# KiCad board Main.kicad_pcb (continued)
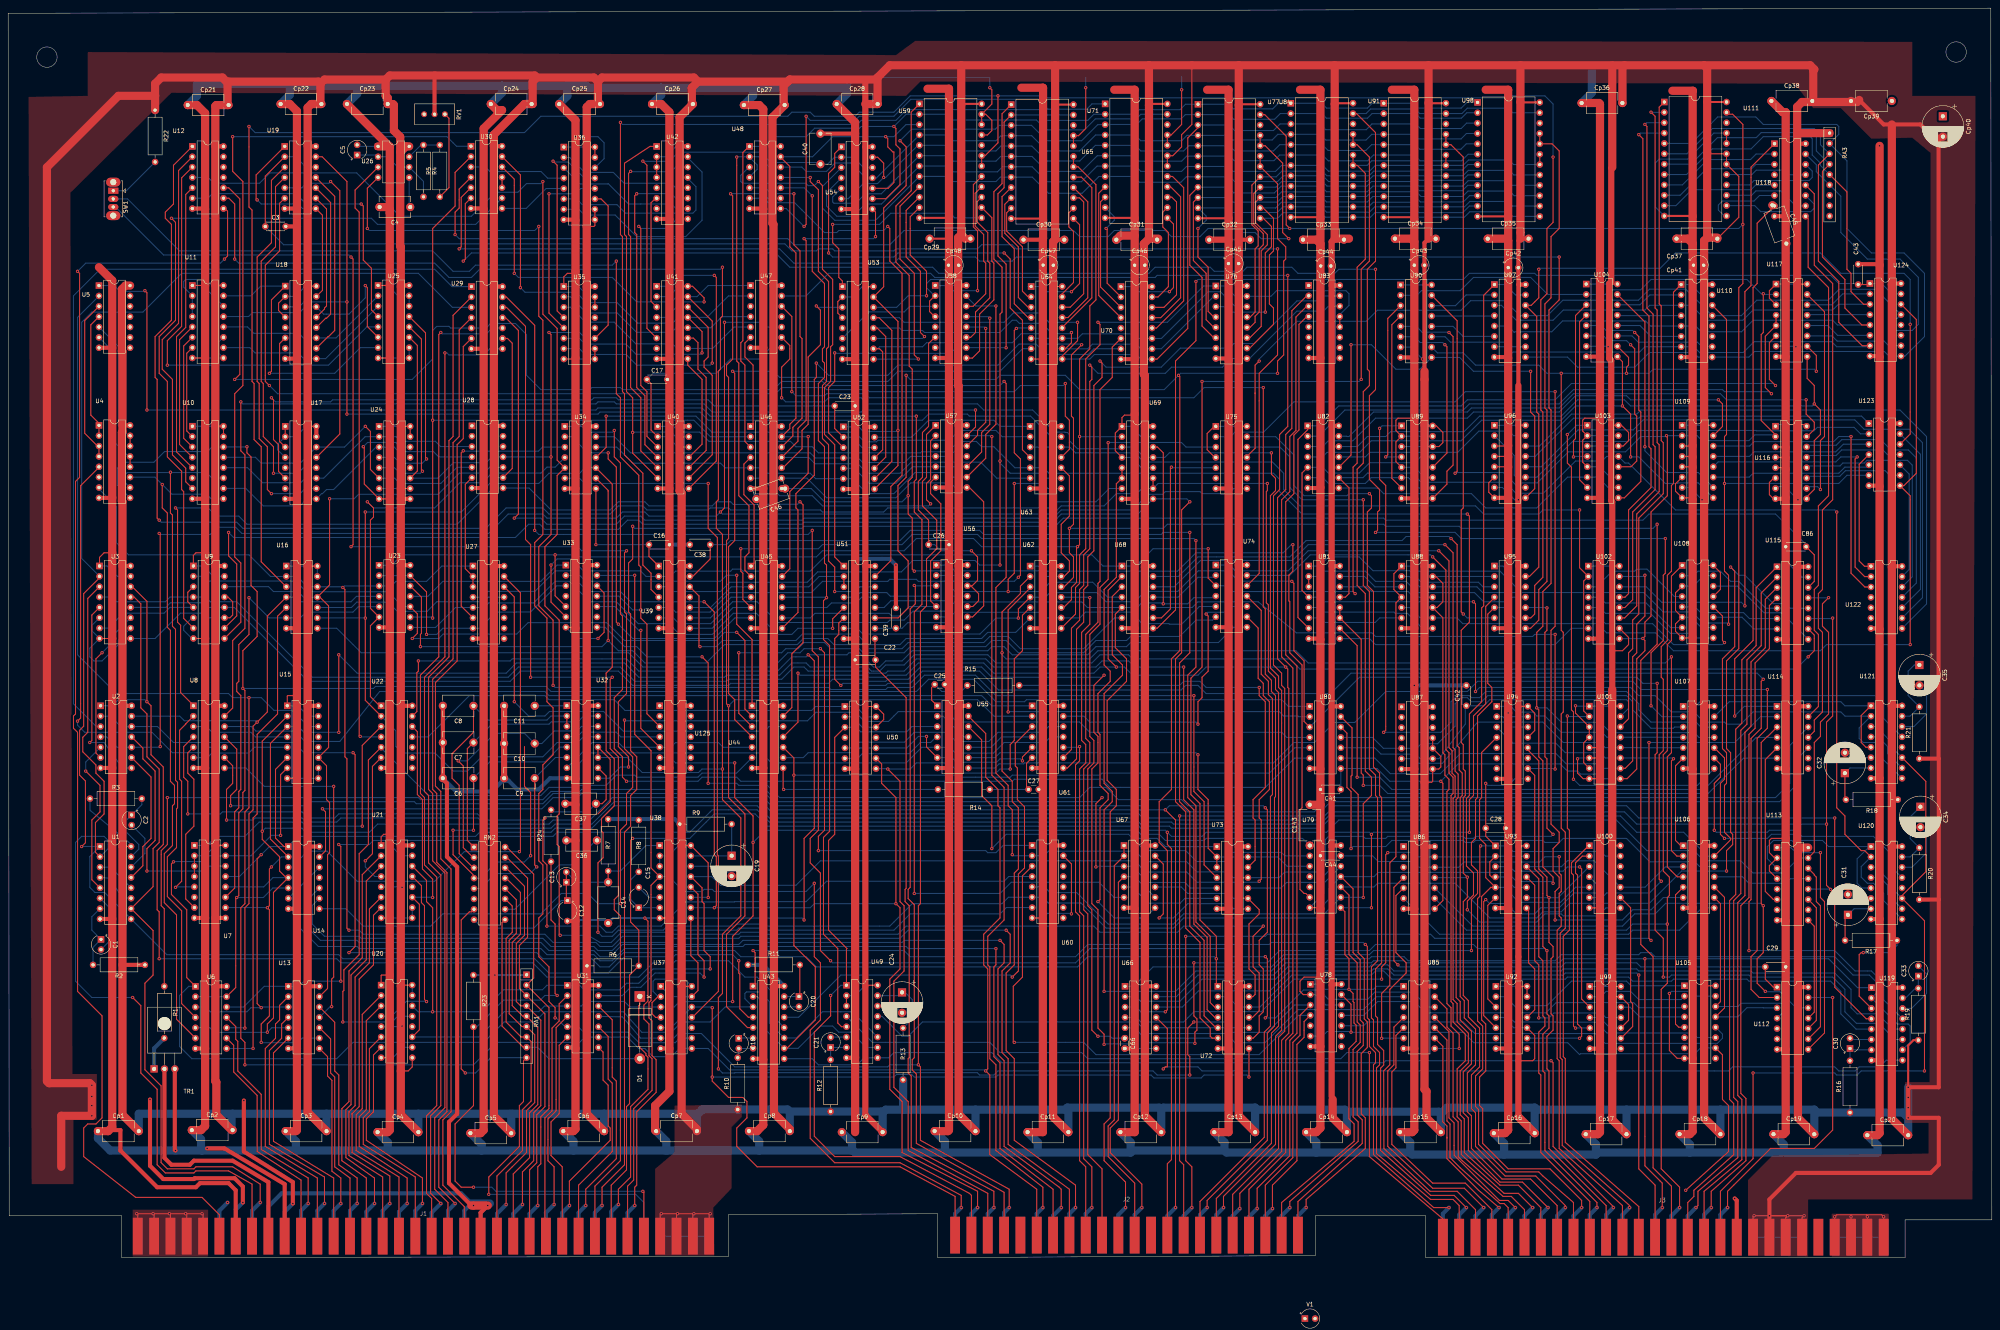
[diagram p0: board, top side]
## Routing (per net, layer and track width the routed paths; a pad name or vN(x,y) marks a point on that pad's centre or on a via; arc(x,y) is an arc through that point) (continued)
  Bottom w0.25: U46.11 196.13,196.12 197.66,194.59 208.16,194.59 210.5,192.25 218.5,192.25 221.21,194.97 238.29,194.97 242.2,191.05 U63.6 ; v1(195,249.75) 212,249.75 v1(212.5,250.25)
Net-(U55-Pad10): length 16.7
  Bottom w0.25: U55.10 240.83,125.08 243.37,127.62 U61.4
Net-(U55-Pad11): length 9.7
  Bottom w0.25: U55.11 234.13,127.62 229.05,132.7 U55.2
Net-(U56-Pad1): length 62.2
  Top w0.25: U63.10 260,191.59 260,181.75 258,179.75 258,172.75 260,170.75 260,168.25 258.7,166.95 U62.13
  Bottom w0.25: U56.1 230.51,169.74 232,168.25 232.07,168.32 252.93,168.32 254.3,166.95 U62.13
Net-(U56-Pad6): length 73.2
  Bottom w0.25: U74.5 291.84,159.59 287.5,155.25 284.5,155.25 284.37,155.38 277.87,155.38 275.04,158.22 263.96,158.22 262.54,156.79 U62.9 253.96,156.79 252.58,158.16 231.92,158.16 230.79,157.04 U56.6
Net-(U58-B0): length 41.9
  Top w0.25: U59.14 241,254.89 241,244.25 241.5,243.75 241.5,234.75 238,231.25 238,222.25 236.22,220.47 234.62,220.47
Net-(U58-B1): length 39.3
  Top w0.25: U59.15 237.38,258.81 237.38,253.88 240,251.25 240,244.25 240.5,243.75 240.5,235.25 237,231.75 237,226.75 235.8,225.55 234.62,225.55
Net-(U58-B2): length 34.1
  Top w0.25: U59.16 236.93,260.89 236.93,252.82 239,250.75 239,244.25 239.5,243.75 239.5,236.25 236.42,233.17 234.62,233.17
Net-(U58-B3): length 40.3
  Top w0.25: U59.17 236.48,262.99 236.48,252.64 237.5,251.61 v1(237.5,237)
  Bottom w0.25: v1(237.5,237) 231.5,237 230.25,238.25 227,238.25
Net-(U58-Oa=b): length 84.2
  Top w0.25: v1(236,173.25) 237.5,171.75 237.5,166 236.16,164.66 U56.12 235.84,164.66 237.75,162.75 237.75,161 236.33,159.58 U56.10 ; 227,225.55 225.5,224.05 225.5,203.75 224,202.25 224,191.25 223,190.25 223,183.25 225.5,180.75 C26.1
  Bottom w0.25: C26.1 227,174.75 228.5,173.25 v1(236,173.25)
Net-(U59-A7): length 166.1
  Top w0.25: U59.1 221.25,280.78 221.25,261.5 217.5,257.75 217.5,244 220.75,240.75 220.75,218.5 221.5,217.75 221.5,191.25 220.5,190.25 v1(220.5,186.75) 220.5,182.25 221.5,181.25 221.5,168.75 v1(222,168.25)
  Bottom w0.25: U56.13 231.05,167.2 229.93,168.32 222.07,168.32 v1(222,168.25) ; v1(220.5,186.75) 219,185.25 200,185.25 196.75,188.5 U46.8
Net-(U60-S): length 232.9
  Top w0.25: v1(199,149.25) 200,148.25 200,104.75 198.5,103.25 v1(198.5,99.75)
  Bottom w0.25: v1(199,149.25) 195,149.25 194,148.25 191,148.25 187.5,144.75 155.5,144.75 152,148.25 86.5,148.25 80.49,154.26 U16.8 ; v1(198.5,99.75) 239.5,99.75 240,99.25 242,99.25 243.78,101.03 U60.1
Net-(U60-Za): length 262.1
  Top w0.25: v1(131.5,107.75) 131,107.25 131,97.25 132,96.25 v1(132,81.25) ; v1(44,108.75) 44,116.75 43,117.75 43,125.25 U8.4
  Bottom w0.25: v1(132,81.25) 145,81.25 146.5,79.75 148,79.75 149.5,81.25 160,81.25 165.93,87.18 177.93,87.18 178,87.25 195.5,87.25 200.5,92.25 244,92.25 245.16,93.41 U60.4 ; v1(44,108.75) 52,108.75 52.5,109.25 72,109.25 73.5,107.75 80,107.75 81,108.75 115,108.75 116.5,107.25 131,107.25 v1(131.5,107.75)
Net-(U60-Zb): length 406.5
  Top w0.25: v1(131,263.75) 131,231.25 134.5,227.75 134.5,195.46 U34.5 134.5,191.7 134.5,177.25 131.5,174.25 131.5,159.75 135,156.25 135,108.75 134.5,108.25 134.5,101.25 135,100.75 135,79.25 v1(135.25,79)
  Bottom w0.25: U60.7 244.54,85.79 243,84.25 221,84.25 217,80.25 185,80.25 184.5,80.75 179,80.75 178.5,80.25 162,80.25 161.5,79.75 150.25,79.75 147.75,77.25 145,77.25 142,79 v1(135.25,79) ; U12.4 49,264.75 50.42,263.33 61.58,263.33 64.12,265.88 85.38,265.88 96,255.25 113.5,255.25 119.38,261.12 124.88,261.12 127,263.25 130.5,263.25 v1(131,263.75)
Net-(U61-Pad1): length 206.8
  Bottom w0.25: U8.12 59.58,130.17 60.7,129.04 70.2,129.04 72.75,126.5 81.25,126.5 91,138.75 131.5,138.75 132.5,137.75 238.5,137.75 241.01,135.24 U61.1
Net-(U61-Pad13): length 72.8
  Top w0.25: v1(293.5,157.75) 294,157.25 294,143.75 292.5,142.25 292.5,137.25 291.5,136.25 v1(291.5,130.75)
  Bottom w0.25: U74.10 299.84,159.59 298.43,158.18 293.93,158.18 v1(293.5,157.75) ; v1(291.5,130.75) 291,131.25 265,131.25 263.55,132.7 U61.13
Net-(U62-Pad3): length 107.3
  Top w0.25: v1(245,133.75) 245,158.75 250.38,164.13 U62.3
  Bottom w0.25: v1(245,133.75) 245.07,133.82 311.43,133.82 312.5,132.75 316,132.75 316.17,132.58 U80.2
Net-(U64-I0): length 35.5
  Top w0.25: U65.9 243.5,260.04 243.5,250.25 246.5,247.25 246.5,233.79 249.88,230.41
Net-(U64-I1): length 29.8
  Top w0.25: 249.88,232.95 247.5,235.33 247.5,247.75 244.18,251.07 244.18,258.18 U65.10
Net-(U64-I2): length 24.4
  Top w0.25: 249.88,235.49 248.5,236.87 248.5,247.75 244.62,251.62 244.62,256.08 U65.11
Net-(U64-I3): length 30.5
  Top w0.25: v1(260.5,236.75) 262.5,238.75 262.5,253.16 U65.13
  Bottom w0.25: v1(260.5,236.75) 254.5,236.75 253.22,238.03 249.88,238.03
Net-(U64-I4): length 24.1
  Top w0.25: 257.5,235.49 261,238.99 261,251.5 259.87,252.63 259.87,256.08 U65.14
Net-(U64-I5): length 32.8
  Top w0.25: U65.15 262.5,259.75 263.5,258.75 263.5,236.25 260.2,232.95 257.5,232.95
Net-(U64-I6): length 37.5
  Top w0.25: U65.16 264.5,258.78 264.5,235.25 259.66,230.41 257.5,230.41
Net-(U64-I7): length 43.6
  Top w0.25: 257.5,227.87 258.12,227.87 265.5,235.25 265.5,262.25 262.92,264.83 U65.17
Net-(U64-Z): length 86.9
  Top w0.25: v1(247,227.75) 246.5,227.25 246.5,197.25 248,195.75 248,167.25 v1(247.5,166.75)
  Bottom w0.25: v1(247.5,166.75) 246.54,165.78 231.54,165.78 231.5,165.75 230.05,167.2 U56.2 ; U64.5 247.12,227.87 v1(247,227.75)
Net-(U64-~{E}): length 169.6
  Top w0.25: U44.4 178,131.87 178,136.75 176.5,138.25 176.5,174.25 178,175.75 178,216.75 v1(177.5,217.25)
  Bottom w0.25: 249.88,222.79 248.54,222.79 243,217.25 218,217.25 215.5,214.75 200.5,214.75 199.5,215.75 189,215.75 187.5,217.25 v1(177.5,217.25)
Net-(U66-Pad4): length 149.3
  Top w0.25: U93.2 363,96.99 363,93.75 363.46,93.29 U93.4 ; v1(338,99.25) 337.5,98.75 337.5,72.25 336.5,71.25 v1(336.5,68.25)
  Bottom w0.25: U93.4 366.46,93.29 369,90.75 U93.10 ; U66.4 276.38,58.87 277.5,57.75 288,57.75 290.54,60.29 307.04,60.29 315,68.25 v1(336.5,68.25) ; v1(338,99.25) 338.08,99.34 344.42,99.34 345.54,98.21 U86.13 364.22,98.21 U93.2 U93.13
Net-(U67A-1B): length 40.2
  Top w0.25: v1(282,83.25) 283,84.25 283,96.45 U67.13
  Bottom w0.25: U73.8 300.25,85.5 299,86.75 289,86.75 285.5,83.25 v1(282,83.25)
Net-(U67A-1D): length 52
  Top w0.25: U72.13 304.95,63.95 305.5,64.5 305.5,69.25 304,70.75 304,81.75 306.5,84.25 306.5,85.29 U73.9
  Bottom w0.25: U67.10 287.42,90.83 289,89.25 299,89.25 300.21,88.04 U73.9
Net-(U67A-1Y): length 128.8
  Top w0.25: v1(267,87.25) 267.5,87.75 267.5,110.25 269.5,112.25 269.5,113.75 267.5,115.75 267.5,128.25 267,128.75 267,138.25 270,141.25 270,143.75 268.5,145.25 268.5,163.75 271.5,166.75 271.5,189.67 U69.6 U69.5
  Bottom w0.25: v1(267,87.25) 271,83.25 278.5,83.25 U67.8
Net-(U67B-2B): length 285.5
  Top w0.25: U8.11 56,124.63 56,114.75 54.5,113.25 v1(54.5,110.75) ; v1(268,112.75) 266.5,111.25 v1(266.5,95.75)
  Bottom w0.25: U73.5 289.67,90.58 288.3,91.96 279.3,91.96 275.34,95.91 U67.3 266.66,95.91 v1(266.5,95.75) ; v1(54.5,110.75) 73,110.75 74,111.75 99.5,111.75 100,111.25 131,111.25 133.5,113.75 139.5,113.75 140.5,114.75 185.5,114.75 188.5,111.75 267,111.75 v1(268,112.75)
Net-(U67B-2D): length 24.9
  Bottom w0.25: U67.5 275.42,90.83 279.38,86.88 287.12,86.88 288.29,88.04 U73.6
Net-(U68-Pad11): length 17.6
  Bottom w0.25: U68.11 286.63,161.88 291.5,166.75 295.42,166.75 U74.2
Net-(U69-Za): length 340.7
  Top w0.25: U12.1 40.5,267.74 40.5,258.25 38.5,256.25 38.5,254.75 40,253.25 40,229.75 36,225.75 36,215.75 36.5,215.25 36.5,181.25 v1(37,180.75)
  Bottom w0.25: U69.7 269.76,188.51 266.5,185.25 257,185.25 255.5,183.75 215.5,183.75 214.5,182.75 199.5,182.75 199,183.25 177,183.25 176.5,183.75 172,183.75 171.5,183.25 156.5,183.25 155.5,184.25 149.5,184.25 147.5,182.25 132.5,182.25 131,183.75 122,183.75 117,178.75 57.5,178.75 56,180.25 37.5,180.25 v1(37,180.75)
Net-(U69-Zb): length 420.8
  Top w0.25: v1(289.5,185.25) 287.5,183.25 287.5,148.25 286,146.75 286,111.75 288.5,109.25 288.5,80.75 292,77.25 292,58.75 294.5,56.25 294.5,54.25 294.96,53.79 U72.6 ; v1(54,177.75) 54,172 56,170 56,157.29 U9.10
  Bottom w0.25: v1(289.5,185.25) 288.78,185.97 U69.9 276.78,182.25 258,182.25 256,180.25 195,180.25 194.5,179.75 155.5,179.75 154.5,180.75 151.75,180.75 149.5,178.5 131.5,178.5 130.25,179.75 127.5,179.75 124.25,176.5 55.25,176.5 v1(54,177.75) ; U66.9 U72.6
Net-(U70-I0): length 35
  Top w0.25: U70.4 267.19,235.82 267.19,260.88 U71.9
Net-(U70-I1): length 29.5
  Top w0.25: U70.3 267.63,237.92 267.63,258.8 U71.10
Net-(U70-I2): length 25.2
  Top w0.25: v1(269,252.25) 269.25,252 269.25,238.84 U70.2
  Bottom w0.25: v1(269,252.25) 271,254.25 271,255.14 U71.11
Net-(U70-I3): length 31.5
  Top w0.25: U71.13 285.5,253.34 285.5,237.75 v1(284.5,236.75)
  Bottom w0.25: U70.1 275.75,238 277,236.75 v1(284.5,236.75)
Net-(U70-I4): length 25.5
  Top w0.25: U71.14 282.88,256.25 282.88,252.62 284.25,251.25 284.25,238 281.71,235.46 U70.15
Net-(U70-I5): length 32.8
  Top w0.25: U71.15 285.08,259.92 286.25,258.75 286.25,236 283.17,232.92 U70.14
Net-(U70-I6): length 38
  Top w0.25: U71.16 284.79,262.46 287.25,260 287.25,235.25 282.38,230.38 U70.13
Net-(U70-I7): length 43.4
  Top w0.25: U71.17 285.25,265 288,262.25 288,234.5 281.34,227.84 U70.12
Net-(U70-~{E}): length 149.7
  Top w0.25: U45.8 193.5,158.13 193.5,183.25 193,183.75 193,187.25 197.5,191.75 197.5,215.25 198,215.75 v1(198,219.25)
  Bottom w0.25: U70.7 266.01,222.76 264.5,221.25 264.38,221.38 254.38,221.38 251.83,223.92 247.67,223.92 242.5,218.75 218,218.75 215.5,216.25 201,216.25 v1(198,219.25)
Net-(U73-Pad10): length 147.2
  Top w0.25: v1(377,159.25) 377,153.75 376.5,153.25 376.5,122.75 377,122.25 377,105.25 v1(378.5,103.75)
  Bottom w0.25: v1(378.5,103.75) 378,103.25 359.5,103.25 359,102.75 357,102.75 356.5,103.25 338,103.25 337.5,102.75 332.5,102.75 332,103.25 324.5,103.25 323.5,102.25 323.5,94.75 320.71,91.97 313.21,91.97 311.83,90.58 U73.10 ; U95.10 376.91,159.34 v1(377,159.25)
Net-(U75A-C): length 183.1
  Top w0.25: v1(269.5,199.75) 269.5,166.25 267.5,164.25 267.5,155.25 265,152.75 265,127.75 266,126.75 266,121.25 264.5,119.75 264.5,86.25 265.5,85.25 265.5,55.75 v1(267,54.25)
  Bottom w0.25: U66.6 270.46,53.79 270,54.25 v1(267,54.25) ; v1(269.5,199.75) 269.55,199.79 287.45,199.79 288.58,198.67 U75.3
Net-(U75A-D): length 253.8
  Top w0.25: v1(379,212.25) 379,154.75 378,153.75 378,106.25 380,104.25 380,101.75 378.5,100.25 378.5,94.75 380,93.25 380,90.75 379,89.75 v1(379,82.75)
  Bottom w0.25: v1(379,82.75) 395.5,82.75 398,85.25 402.5,85.25 405.5,88.25 U106.6 ; U75.2 299.46,201.21 300.58,202.34 307.58,202.34 315,209.75 354.5,209.75 357,212.25 v1(379,212.25)
Net-(U75A-Q): length 51
  Top w0.25: U68.9 282.55,156.8 284.75,159 284.75,193.5 v1(285,193.75)
  Bottom w0.25: U75.5 285.16,193.59 v1(285,193.75)
Net-(U75B-~{Q}): length 236.6
  Top w0.25: v1(124,181.25) 125,182.25 125,227.25 121.87,230.38 U29.11
  Bottom w0.25: v1(124,181.25) 130.5,181.25 132,179.75 149,179.75 151,181.75 155,181.75 156,180.75 194.5,180.75 195,181.25 256,181.25 258,183.25 275.5,183.25 279.35,187.09 282.85,187.09 283.5,187.75 292,187.75 292.5,187.25 299,187.25 300.26,188.51 U75.8
Net-(U76-Ea): length 155.6
  Top w0.25: v1(267,229.25) 267.5,228.75 267.5,223.75 264,220.25 264,173.75 262.5,172.25 262.5,165.25 261.5,164.25 261.5,157.75 U62.8 ; U83.12 U83.13
  Bottom w0.25: 325.75,230.63 328.5,233.38 328.5,236.25 327.75,237 310.75,237 309.37,235.62 300.63,235.62 298.09,238.16 292.91,238.16 284,229.25 v1(267,229.25)
Net-(U76-I0a): length 112.1
  Top w0.25: 295.38,225.46 292.5,228.34 292.5,240.25 289.5,243.25 289.5,260.37 U77.9
  Bottom w0.25: U77.9 298.88,262.37 300.3,260.95 310.2,260.95 311.88,262.63 U84.9 321.62,262.63 323,261.25 333,261.25 334.38,262.63 U91.9 344.62,262.63 345.75,261.5 356.25,261.5 357.58,262.83 U98.9
Net-(U76-I0b): length 112.1
  Top w0.25: U77.14 307.46,257.29 310,254.75 310,246.75 309,245.75 309,233.75 310,232.75 310,228.75 304.17,222.92 303,222.92
  Bottom w0.25: U77.14 310.46,257.29 310.5,257.25 311.93,258.68 321.57,258.68 322.7,257.55 U84.14 333.3,257.55 334.43,258.68 344.57,258.68 345.7,257.55 U91.14 356.8,257.55 358.12,258.88 367.38,258.88 368.5,257.75 U98.14
Net-(U76-I1a): length 106.2
  Top w0.25: U77.10 290.38,258.7 290.38,244.38 293.5,241.25 293.5,229.88 295.38,228
  Bottom w0.25: U77.10 298.92,259.83 300.05,258.7 310.95,258.7 312.34,260.09 U84.10 321.66,260.09 323,258.75 333,258.75 334.34,260.09 U91.10 344.66,260.09 346,258.75 356.5,258.75 358.04,260.29 U98.10
Net-(U76-I1b): length 110.5
  Top w0.25: 303,225.46 304.21,225.46 307,228.25 307,246.75 308.5,248.25 308.5,250.75 305.62,253.63 305.62,258.7 U77.15
  Bottom w0.25: U98.15 368.96,260.29 367.83,261.42 357.67,261.42 356.34,260.09 U91.15 346.16,260.09 345,261.25 334,261.25 332.84,260.09 U84.15 322.66,260.09 321.54,261.22 311.96,261.22 310.58,259.83 U77.15
Net-(U76-I2a): length 101.9
  Top w0.25: v1(291.5,252.25) 291.5,245.25 294,242.75 294,231.92 295.38,230.54
  Bottom w0.25: U98.11 358,257.75 356.38,256.13 345.62,256.13 344.2,257.55 U91.11 334.8,257.55 333.5,256.25 323,256.25 321.7,257.55 U84.11 312.3,257.55 310.92,256.17 299.58,256.17 298.46,257.29 U77.11 293.5,255.29 293.5,254.25 v1(291.5,252.25)
Net-(U76-I2b): length 110.1
  Top w0.25: U77.16 305.17,260.8 305.17,253.33 307.5,251 307.5,248.25 306.5,247.25 306.5,231.75 305.5,230.75 305.5,229.25 304.25,228 303,228
  Bottom w0.25: U77.16 310.62,262.37 312,263.75 322,263.75 323.12,262.63 U84.16 332.88,262.63 334,263.75 344.5,263.75 345.62,262.63 U91.16 356.38,262.63 357.7,263.95 367.3,263.95 368.42,262.83 U98.16
Net-(U76-I3a): length 109.9
  Top w0.25: U77.13 307.5,254.75 309.5,252.75 309.5,247.75 308,246.25 v1(308,231.75)
  Bottom w0.25: U98.13 368.54,255.21 367.42,256.33 358.08,256.33 356.76,255.01 U91.13 345.24,255.01 344.12,256.13 334.88,256.13 333.76,255.01 U84.13 322.74,255.01 321.62,256.13 312.38,256.13 311,254.75 U77.13 ; 295.38,233.08 298.17,233.08 299.5,231.75 v1(308,231.75)
Net-(U76-I3b): length 109.4
  Top w0.25: 303,230.54 304.29,230.54 305.5,231.75 305.5,247.25 306.25,248 306.25,251.61 304.71,253.15 304.71,262.88 U77.17
  Bottom w0.25: U77.17 310.66,264.91 312.05,266.3 321.95,266.3 323.08,265.17 U84.17 333.42,265.17 334.55,266.3 344.45,266.3 345.58,265.17 U91.17 356.42,265.17 357.75,266.5 367.75,266.5 368.88,265.37 U98.17
Net-(U76-Za): length 170.6
  Top w0.25: v1(267.5,219.75) 268,219.25 268,215.75 266,213.75 266,173.25 264.5,171.75 264.5,164.75 263.5,163.75 263.5,155.75 261.75,154 261.75,122.25 259.5,120 U61.8
  Bottom w0.25: 325.75,235.71 322.46,235.71 321.25,234.5 315.75,234.5 305.3,224.05 300.3,224.05 299.17,222.92 287.17,222.92 282.5,218.25 269,218.25 v1(267.5,219.75)
Net-(U76-Zb): length 167.7
  Top w0.25: U61.9 260.5,124.54 260.5,154.25 262.5,156.25 262.5,163.75 263.5,164.75 263.5,172.25 265,173.75 265,214.75 265.5,215.25 265.5,218.25 v1(265,218.75)
  Bottom w0.25: v1(265,218.75) 267,216.75 283.5,216.75 285,218.25 297.5,218.25 299.63,220.38 304.13,220.38 315.75,232 322.25,232 323.42,233.17 325.75,233.17
Net-(U79A-MR): length 110
  Top w0.25: U73.3 U73.2 294,100.33 294,112.25 291.5,114.75 v1(291.5,123.25)
  Bottom w0.25: U79.2 312.79,98.46 311.93,99.32 299.57,99.32 298.45,98.2 U73.2 ; v1(291.5,123.25) 291,123.75 243,123.75 241.79,122.54 U55.9
Net-(U79A-Q0): length 115.8
  Top w0.25: v1(241,100.25) 241,110.75 238.5,113.25 238.5,126.91 U55.12
  Bottom w0.25: v1(241,100.25) 244.5,103.75 274.5,103.75 278.5,99.75 288.5,99.75 291.18,97.07 298.32,97.07 299.45,98.2 U73.13 311.05,98.2 313.33,95.92 U79.3
Net-(U81A-~{R}): length 49.5
  Bottom w0.25: U95.3 361.33,164.42 360.21,165.53 346.21,165.53 343.38,168.37 334.38,168.37 331,171.75 323.5,171.75 321.25,169.5 U81.1
Net-(U81A-~{S1}): length 59.8
  Top w0.25: U81.2 U81.3
  Bottom w0.25: U81.2 321.21,166.96 322.5,168.25 332.5,168.25 335,165.75 342.5,165.75 345.25,163 359.25,163 361.5,160.75 367,160.75 368.13,161.88 U95.11
Net-(U81B-~{R}): length 32.5
  Bottom w0.25: U81.5 321.41,159.34 322.54,158.22 339.54,158.22 339.84,157.91 342.83,157.91 346.5,154.25 U88.8
Net-(U81B-~{S}): length 23.7
  Bottom w0.25: U88.6 336.04,156.79 334.93,155.68 322.57,155.68 321.45,156.8 U81.6
Net-(U81C-~{R}): length 147.7
  Top w0.25: U81.10 330.5,150.01 v1(330.5,117.75)
  Bottom w0.25: v1(330.5,117.75) 336,117.75 339,114.75 415.5,114.75 428.25,127.5 U114.4
Net-(U81C-~{S1}): length 151.8
  Top w0.25: v1(332,115.75) 332,118.25 331.5,118.75 331.5,151.55 U81.11 U81.12
  Bottom w0.25: v1(332,115.75) 336,115.75 338,113.75 416.5,113.75 425.17,122.42 U114.6
Net-(U81D-~{R}): length 23.8
  Bottom w0.25: U88.11 344.38,161.87 343,163.25 334,163.25 332.83,164.42 U81.14
Net-(U81D-~{S}): length 16.2
  Bottom w0.25: U81.15 332.29,166.96 334.84,164.41 U88.3
Net-(U85-Pad6): length 157.2
  Top w0.25: U88.1 339.5,167.61 339.5,163.75 U88.4 340,160.49 340,98.25 338.5,96.75 338.5,66.75 336.5,64.75 v1(336.5,53.75)
  Bottom w0.25: v1(336.5,53.75) 336.54,53.79 U85.6 ; U95.12 369.33,164.42 365.5,168.25 345.5,168.25 344.26,169.49 U88.1
Net-(U85-Pad8): length 143.1
  Top w0.25: U88.13 349.8,166.95 351.5,165.25 351.5,160.75 350.08,159.33 U88.10 351.5,156.83 351.5,123.75 352,123.25 352,118.25 353,117.25 353,114.75 352.5,114.25 352.5,62.25 353.5,61.25 353.5,56.75 355.5,54.75 v1(355.5,51.25)
  Bottom w0.25: v1(355.5,51.25) U85.8 ; U88.13 349.01,166.96 U95.2
Net-(U87B-Q): length 99
  Bottom w0.25: U107.3 408.29,130.04 408,129.75 402.5,129.75 398,134.25 398,136.25 396.5,137.75 362.5,137.75 361,136.25 358.5,136.25 357.5,137.25 356,137.25 354.5,135.75 354.5,130.25 350.2,125.96 346.2,125.96 345.08,124.83 U87.5 336.92,124.83 334.25,127.5 U80.11
Net-(U87B-~{Q}): length 36.6
  Bottom w0.25: U94.14 367.7,130.04 366.5,131.25 360,131.25 351.42,121.16 345.58,121.16 344.46,122.29 U87.6
Net-(U89-I1b): length 32.8
  Bottom w0.25: U82.6 322.08,191.17 323.5,189.75 323.5,189.75 332.5,189.75 333.92,191.17 U89.6 343.08,191.17 345.62,188.63 U89.10
Net-(U89-S): length 173.9
  Top w0.25: v1(336,203.25) 336,190.75 337.5,189.25 337.5,129.25 v1(337,128.75)
  Bottom w0.25: U107.12 414.71,130.04 413.5,131.25 402.5,131.25 399.5,134.25 399.5,135.75 396.5,138.75 362,138.75 360.5,137.25 358.5,137.25 358,137.75 355,137.75 353.5,136.25 353.5,131.25 351,128.75 v1(337,128.75) ; v1(336,203.25) 336.62,203.87 U89.1
Net-(U89-Za): length 42.5
  Top w0.25: v1(337.5,196.25) 338,196.75 338,230.2 U90.3
  Bottom w0.25: U89.4 v1(337.5,196.25)
Net-(U89-Zb): length 44
  Top w0.25: U90.4 339,228.66 339,191.01 U89.7
Net-(U89-Zc): length 55.6
  Top w0.25: v1(353,226.75) 354,225.75 354,194.25 352.5,192.75 352.5,189.59 U89.9
  Bottom w0.25: v1(353,226.75) 352.92,226.83 346.42,226.83 345,228.25 U90.5
Net-(U89-Zd): length 43.4
  Top w0.25: U89.12 352.5,197.21 352.5,223.25 v1(352,223.75)
  Bottom w0.25: U90.6 344.54,225.71 345.95,224.3 351.45,224.3 v1(352,223.75)
Net-(U90-Q0): length 16.5
  Bottom w0.25: U90.14 354.58,233.33 357.21,235.96 U97.2
Net-(U90-Q1): length 15.4
  Bottom w0.25: U90.13 364.04,230.79 U97.4
Net-(U90-Q2): length 16.4
  Bottom w0.25: U97.6 356.45,225.8 354,228.25 U90.12
Net-(U90-Q3): length 24
  Bottom w0.25: U90.11 352.04,225.71 353.37,224.38 367.37,224.38 368.5,223.25 368.51,223.26 U97.10
Net-(U90-TC): length 65.3
  Top w0.25: U90.15 355,229.62 355,192.75 v1(354.5,192.25)
  Bottom w0.25: v1(354.5,192.25) 354.68,192.43 366.32,192.43 369.99,188.76 U96.10
Net-(U90-~{PE}): length 112.7
  Top w0.25: v1(329,223.75) 329,196.71 U82.10 ; U96.9 374,188.47 374,206.25 373,207.25 v1(373,217.25)
  Bottom w0.25: v1(373,217.25) 359,217.25 355.62,220.63 U90.9 345.87,217.75 340,217.75 334,223.75 v1(329,223.75)
Net-(U91-A10): length 128.5
  Top w0.25: U91.21 U91.20 353.46,272.79 356.5,269.75 356.5,183.75 356,183.25 356,158.25 v1(356.5,157.75)
  Bottom w0.25: U95.6 357.45,156.8 v1(356.5,157.75)
Net-(U92A-C): length 28.4
  Top w0.25: U92.3 362.5,63.41 362.5,86.33 U93.6
Net-(U92B-C): length 28.4
  Top w0.25: U92.11 374,60.75 374,70.75 372.5,72.25 372.5,85.17 U93.8
Net-(U96-Q0): length 154.1
  Bottom w0.25: U122.8 470,160.21 470,201.25 463.5,207.75 400,207.75 399,206.75 383,206.75 375.17,198.92 U96.14
Net-(U96-Q1): length 89
  Bottom w0.25: U96.13 374.13,196.38 383.5,205.75 399.5,205.75 400,206.25 454.08,206.25 U123.1
Net-(U96-Q2): length 149.4
  Bottom w0.25: U122.9 469,161.75 469,199.75 465.71,203.03 454.71,203.03 452.43,205.32 400.57,205.32 398.12,202.88 384.62,202.88 375.59,193.84 U96.12
Net-(U96-Q3): length 89.9
  Bottom w0.25: U123.2 453.84,201.91 452.25,203.5 443.25,203.5 442.4,202.66 428.35,202.66 428.25,202.75 399.5,202.75 396.8,200.04 383.3,200.04 374.55,191.3 U96.11
Net-(U96-TC): length 48.8
  Bottom w0.25: U96.15 368.79,201.46 367.67,202.59 360.33,202.59 355.12,197.38 333.62,197.38 332.5,196.25 U82.11
Net-(U97-I6): length 226.2
  Top w0.25: v1(375,242.25) 375,235.25 373.17,233.42 U97.14 374.5,230.67 374.5,207.25 375,206.75 375,169.25 372.71,166.96 U95.13 ; U123.12 466,201.87 v1(466,228.75)
  Bottom w0.25: v1(375,242.25) 375.25,242.5 404.75,242.5 408.5,246.25 444,246.25 449,241.25 464.5,241.25 466,239.75 v1(466,228.75) ; U95.1 366.25,169.5 368.79,166.96 U95.13
Net-(U98-A10): length 129.6
  Top w0.25: U95.8 373.01,154.26 375,156.25 375,163.75 377,165.75 377,207.75 376.5,208.25 376.5,233.75 378,235.25 378,250.25 380,252.25 380,271.25 378.26,272.99 U98.20 U98.21
Net-(U99A-C): length 56.9
  Top w0.25: v1(385,95.75) 385.5,95.25 385.5,63.37 U99.3
  Bottom w0.25: U93.3 367.92,95.83 369.05,94.71 380.95,94.71 382,95.75 v1(385,95.75)
Net-(U99B-C): length 56.9
  Top w0.25: v1(375,58.75) 375,71.75 374,72.75 374,91.29 U93.11
  Bottom w0.25: v1(375,58.75) 377.5,58.75 378.7,59.95 390.3,59.95 391.42,58.83 U99.11
Net-(U100A-1A): length 50.6
  Top w0.25: v1(384,56.25) 383.5,56.75 383.5,93.75 383,94.25 383,96.75 387.2,100.95 U100.1
  Bottom w0.25: v1(384,56.25) 384.04,56.29 U99.5
Net-(U100A-1C): length 36.9
  Top w0.25: U100.9 397.5,85.75 397.5,62.75 398,62.25 398,56.63 U99.9
Net-(U100A-1Y): length 206.7
  Top w0.25: U97.1 361.5,235.87 361.5,159.75 361,159.25 361,136.25 358,133.25 358,113.25 357.27,112.53 357.27,95.97 359,94.25 359,88.89 357.5,87.39 v1(357.5,85.25)
  Bottom w0.25: U97.15 369.29,235.96 366.75,238.5 U97.1 ; v1(357.5,85.25) 360.5,82.25 374.5,82.25 376.5,84.25 380.5,84.25 381,83.75 389.5,83.75 391.46,85.71 U100.8
Net-(U100B-2A): length 60.8
  Top w0.25: v1(385,53.75) 385.5,54.25 385.5,56.25 384.5,57.25 384.5,93.75 384,94.25 384,96.75 385.66,98.41 U100.2
  Bottom w0.25: v1(385,53.75) 384.96,53.79 U92.9
Net-(U100B-2C): length 68.6
  Top w0.25: v1(362,87.75) 361.5,87.25 361.5,59.33 U92.5
  Bottom w0.25: U100.4 389.5,91.21 389.5,89.75 389.12,89.38 383.62,89.38 380,85.75 375.5,85.75 374,84.25 369.5,84.25 366.95,86.79 362.95,86.79 v1(362,87.75)
Net-(U100B-2Y): length 177
  Top w0.25: U110.1 408,236.62 408,189.75 407.5,189.25 407.5,168.25 406.5,167.25 406.5,151.25 405,149.75 405,142.25 405.5,141.75 405.5,124.25 404.5,123.25 404.5,92.75 v1(405,92.25)
  Bottom w0.25: U100.6 390.5,88.25 391.62,89.38 402.12,89.38 v1(405,92.25) ; U110.15 414.79,235.96 412.25,238.5 U110.1
Net-(U101-CET): length 130.5
  Top w0.25: U101.10 396.17,119.92 398,121.75 398,147.25 399,148.25 399,155.25 401,157.25 v1(401,167.25)
  Bottom w0.25: v1(401,167.25) 400.7,166.95 U102.15 ; U80.9 334.83,122.42 338.62,118.62 350.88,118.62 355.8,123.55 379.2,123.55 381.7,121.04 389.7,121.04 390.83,119.92 U101.10
Net-(U101-Q0): length 158.5
  Top w0.25: U111.1 404.5,281.99 404.5,233.75 405,233.25 405,200.25 405.5,199.75 405.5,187.25 399.5,181.25 399.5,157.75 398,156.25 398,149.25 397,148.25 397,132.08 U101.14
Net-(U101-Q1): length 48.8
  Bottom w0.25: U94.1 368.12,135.12 369.54,133.71 373.54,133.71 374.5,132.75 376.5,132.75 380.5,128.75 390.5,128.75 391.71,127.54 U101.13 410.34,127.54 U107.4
Net-(U101-Q2): length 48.8
  Bottom w0.25: U107.5 399.21,124.96 399.17,125 U101.12 391.25,125 390,126.25 381,126.25 376,131.25 367.5,131.25 366.17,132.59 U94.2
Net-(U101-Q3): length 72.7
  Top w0.25: U106.2 408.84,98.41 407.5,99.75 407.5,121.75 v1(408,122.25)
  Bottom w0.25: v1(408,122.25) 407.79,122.46 U101.11 391.29,122.46 390,123.75 381.5,123.75 379.16,126.09 368.65,126.09 U94.3
Net-(U101-TC): length 85.6
  Bottom w0.25: U101.15 397,134.62 397,136.25 396.5,136.75 363,136.75 361.5,135.25 357,135.25 357,130.75 350.54,122.29 U87.9 345.96,122.29 344.83,123.41 336.33,123.41 334.79,124.96 U80.10
Net-(U101-~{PE}): length 423.7
  Top w0.25: U86.8 351.5,87.51 351.5,116.25 v1(351,116.75) ; v1(406.29,201.46) 406.5,201.25 406.5,186.75 402.5,182.75 402.5,157.25 401,155.75 401,152.25 v1(400.5,151.75) 401,151.25 401,148.75 399,146.75 399,119.75 396.63,117.38 U101.9 ; v1(430,236.25) 430,226.75 429.5,226.25 429.5,205.16 433,201.66
  Bottom w0.25: v1(400.5,151.75) 400.46,151.71 U102.9 ; U96.2 369,196.59 369,191.75 370.87,189.88 374.63,189.88 382.25,197.5 396.25,197.5 400,201.25 406.08,201.25 v1(406.29,201.46) U109.2 413.79,201.46 415,200.25 426.5,200.25 427.91,201.66 433,201.66 ; C41.1 U80.8 335.37,119.88 338.5,116.75 v1(351,116.75) 355.26,121.01 380.24,121.01 382,119.25 384.5,119.25 385.25,118.5 389.75,118.5 390.87,117.38 U101.9 ; U90.2 345.12,235.87 346.25,237 355.75,237 359,240.25 373,240.25 377.17,236.08 U104.2 391.33,236.08 392.45,237.2 399.95,237.2 402.5,239.75 426,239.75 429.5,236.25 v1(430,236.25) 430.17,236.08 U117.2
